# Altium PCB JlinkV9PCB.PcbDoc
Units mil, origin at the board's own origin, x right, y up, seen from the top; angles counter-clockwise.
Board outline 680 x 1250 mil, 2 copper layers (Top Layer, Bottom Layer); 42 components, 66 nets, 208 pads, 70 vias.
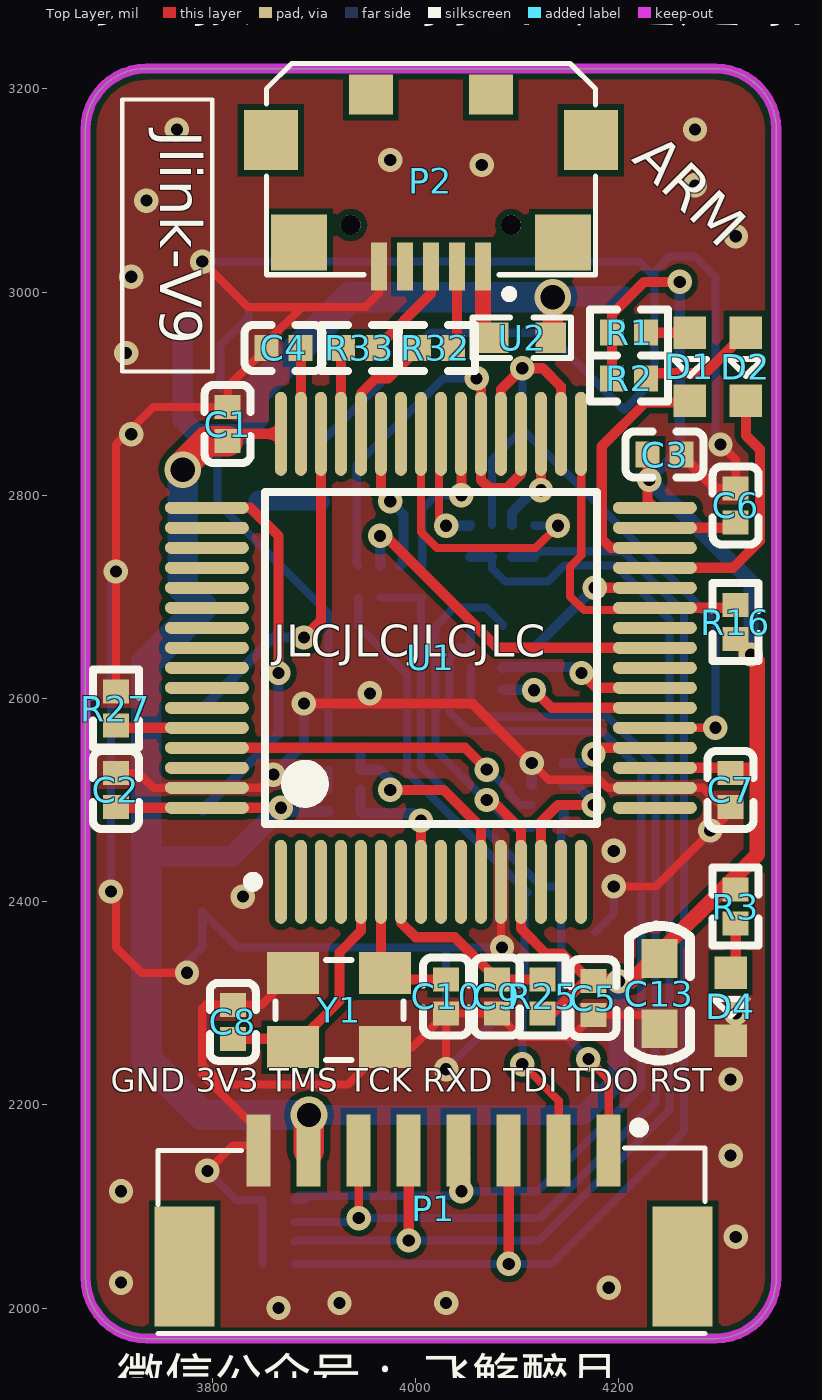
[diagram p0: Top Layer view]
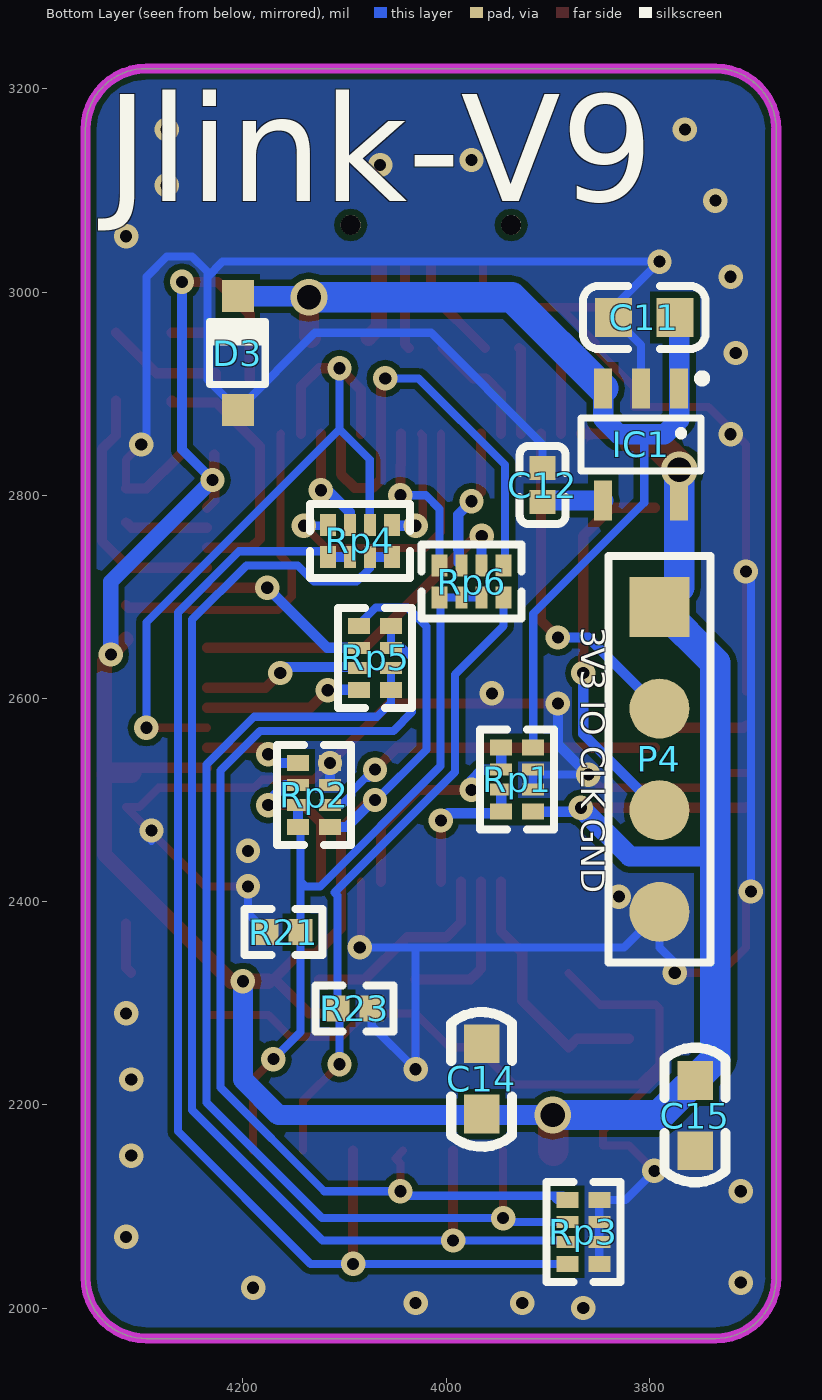
[diagram p1: Bottom Layer view, seen from below]
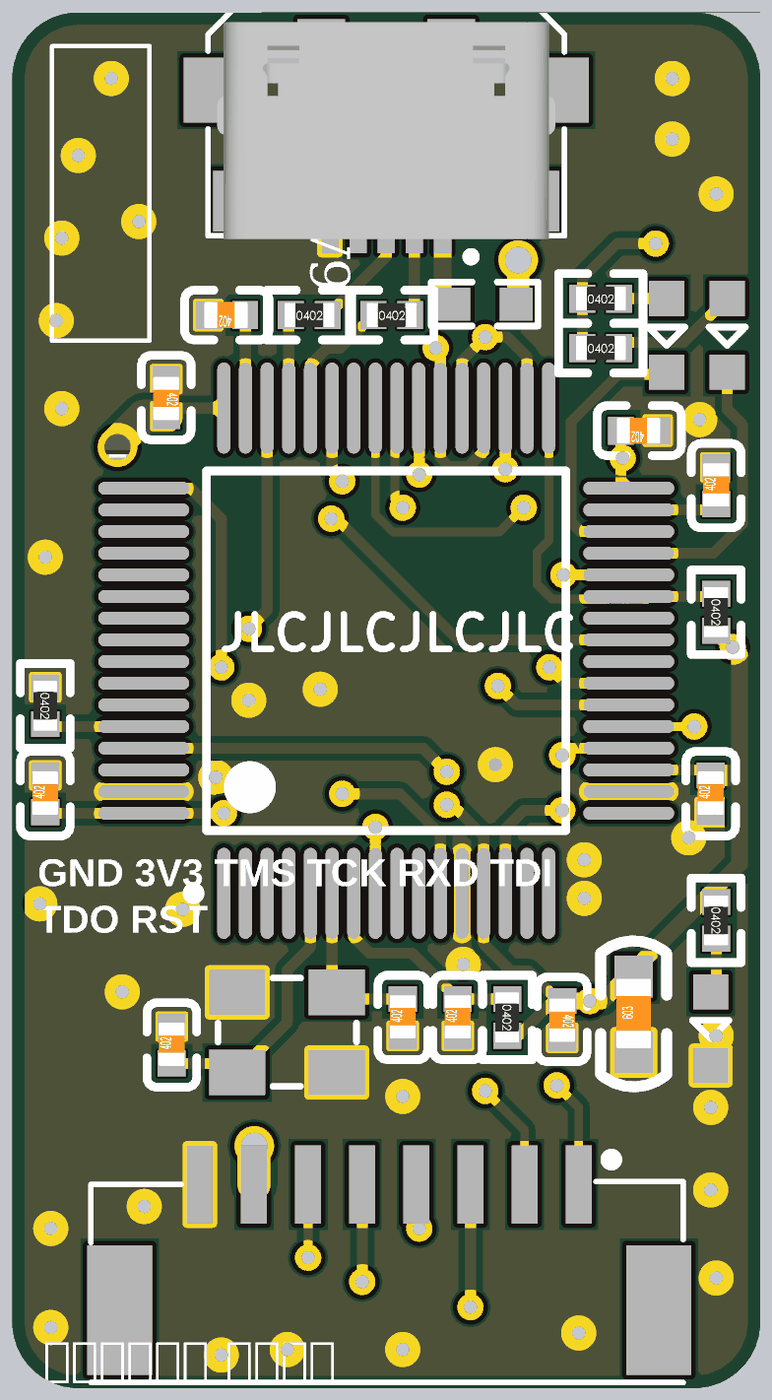
[diagram p2: 3D render of the assembled board from above, using the file's embedded part models]
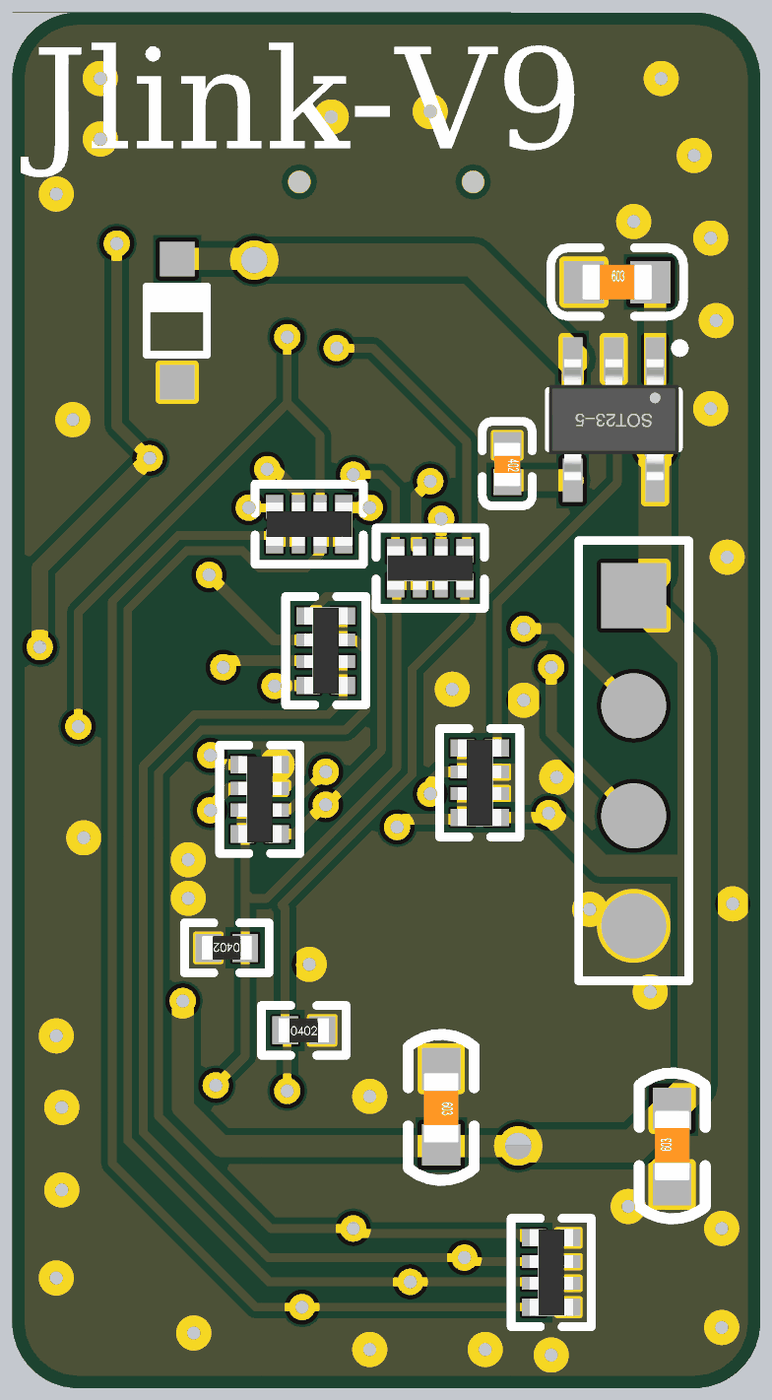
[diagram p3: 3D render of the assembled board from below, using the file's embedded part models]

## Layer stack, top to bottom
Top Solder: solder mask 0.4, Solder Resist, Dk 3.5
Top Layer: signal copper 1.4
Dielectric 1: dielectric 12.6, FR-4, Dk 4.8
Bottom Layer: signal copper 1.4
Bottom Solder: solder mask 0.4, Solder Resist, Dk 3.5

## Board outline
3675,2030 ccw(c3735,2030) 3735,1970 4295,1970 ccw(c4295,2030) 4355,2030 4355,3160 ccw(c4295,3160) 4295,3220 3735,3220 ccw(c3735,3160) 3675,3160

## Design rules (kind name [scope] priority, off if disabled: settings)
Clearance [All] p1: gap=6
PolygonConnect [All] p1: connectstyle=Direct reliefconductorwidth=10 reliefentries=4 polygonreliefangle="90 Angle" airgapwidth=10
RoutingVias [All] p1: holewidth=12 width=24 viastyle="Through Hole" minholewidth=12 minwidth=24 maxholewidth=24 maxwidth=36
SolderMaskExpansion [All] p1: expansion=4
Width [All] p1: maxlimit=100 minlimit=6 preferedwidth=8
30 further rules are at their usual default settings.

## Components (designator, comment, footprint, x,y, rotation, side; value= is the part's Value field where it differs from the comment)
C1 "104" 0402_C 3815,2870 r270 top
C2 "104" 0402_C 3705,2510 r90 top
C3 "104" 0402_C 4245,2840 r180 top
C4 "2.2UF" 0402_C 3870,2945 r180 top
C5 "104" 0402_C 4175,2305 r270 top
C6 "2.2UF" 0402_C 4315,2790 r90 top
C7 "104" 0402_C 4310,2510 r90 top
C8 "12PF" 0402_C 3820,2281.73 r90 top
C9 "104" 0402_C 4080,2306.73 r90 top
C10 "12PF" 0402_C 4030,2306.73 r90 top
C11 "10UF" 0603_C#1 3805,2975 r180 bottom
C12 "103" 0402_C 3905,2810 r270 bottom
C13 "104" 0603_C#2 4240,2275 r90 top
C14 "104" 0603_C#2 3965,2260 r270 bottom
C15 "104" 0603_C#2 3755,2155 r90 bottom
D1 "LED" SMDLED-0603 4270,2960 r270 top
D2 "LED" SMDLED-0603 4325,2960 r270 top
D3 "1N5819" SOD-323 4205,2940 r270 bottom
D4 "PWR" SMDLED-0603 4310,2330 r270 top
IC1 "XC6204B332MR" SOT23-5L 3808.07,2850 r0 bottom
P1 "Header 8" GH1.25-8P 4190,2155 r180 top
P2 "USB-5P" MICRO_USB 4015,3025 r180 top
P4 "Header 4" HDR1X4_SMD 3790,2690 r90 bottom
R1 "220R" 0402_R 4210,2960 r0 top
R2 "220R" 0402_R 4210,2915 r0 top
R3 "1K" 0402_R 4315,2395 r270 top
R16 "10K" 0402_R 4315,2675 r270 top
R21 "220K" 0402_R 4160,2370 r0 bottom
R23 "220K" 0402_R 4090,2295 r180 bottom
R25 "10K" 0402_R 4125,2306.73 r270 top
R27 "10K" 0402_R 3705,2590 r270 top
R32 "20R" 0402_R 4020,2945 r0 top
R33 "20R" 0402_R 3945,2945 r0 top
Rp1 "10K" 0402_Rx4 3930,2520 r90 bottom
Rp2 "10K" 0402_Rx4 4130,2505 r90 bottom
Rp3 "220K" 0402_Rx4 3865,2075 r270 bottom
Rp4 "220R" 0402_Rx4 4085,2755 r0 bottom
Rp5 "220R" 0402_Rx4 4070,2640 r90 bottom
Rp6 "220R" 0402_Rx4 3975,2715 r0 bottom
U1 "STM32F205RET6" STM-LQFP64_M 4015,2640 r90 top
U2 "FUSE" 0603P 4105,2955 r180 top
Y1 "12MHZ" XTAL3225 3970,2329.57 r180 top

## Footprints (in the part's own frame and the unit in brackets; to place one, negate y for a bottom-side part, rotate by r counter-clockwise, add the part's x,y. Pads: shape width x height; smd on the part's side, far side on the other; paste and mask are expansions set on the pad)
0402_C [mm]
  rect 0.6x0.65 smd mask+0.051: 1(-0.425,0) 2(0.425,0)
  silkscreen extent -0.97,-0.58 0.97,0.58, body extent -0.48,-0.3 0.52,0.3, height 0.2
0402_R [mm]
  rect 0.6x0.65 smd mask+0.051: 1(-0.425,0) 2(0.425,0)
  silkscreen extent -0.97,-0.58 0.97,0.58, body extent -0.57,-0.27 0.58,0.28, height 0.41
0402_Rx4 [mm]
  rect 0.4x0.55 smd mask+0.051: 1(-0.8,-0.4) 4(0.8,-0.4) 5(0.8,0.4) 8(-0.8,0.4)
  rect 0.3x0.55 smd mask+0.051: 2(-0.25,-0.4) 3(0.25,-0.4) 6(0.25,0.4) 7(-0.25,0.4)
  silkscreen extent -1.25,-0.93 1.25,0.92, body extent -1,-0.5 1,0.5, height 0.45
0603_C#1 [mm]
  rect 0.93x0.98 smd: 1(-0.77,0) 2(0.77,0)
  silkscreen extent -1.53,-0.79 1.54,0.79, body extent -0.8,-0.4 0.8,0.4, height 0.3
0603_C#2 [mm]
  rect 0.965x0.889 smd: 1(0,0) 2(1.753,0)
  silkscreen extent -0.79,-0.76 2.57,0.76, body extent 0.1,-0.4 1.7,0.4, height 0.3
0603P [mil]
  rect 30x30 smd: 1(-28,0) 2(28.5,-0.06)
  silkscreen extent -48,-20 49,20
GH1.25-8P [mm]
  rect 0.6x1.8 smd: 1(0,0) 2(1.25,0) 3(2.5,0) 4(3.75,0) 5(5,0) 6(6.25,0) 7(7.5,0) 8(8.75,0)
  rect 1.5x3 smd: A(-1.85,2.9) B(10.6,2.9)
  silkscreen extent -2.41,-0.7 11.26,4.57
HDR1X4_SMD [mm] "Connector; Header; 4 Position"
  rect 1.5x1.5 smd: 1(0,0)
  round 1.5 smd: 2(-2.54,0) 3(-5.08,0) 4(-7.62,0)
  silkscreen extent -8.89,-1.27 1.27,1.27
MICRO_USB [mm]
  rect 1.35x1.5 smd: 0(-4,-3.16) 0(4,-3.16)
  rect 1.4x1.4 smd: 0(-3.3,-0.6) 0(3.3,-0.6)
  round 0.5 hole 0.5 paste+0 mask+0: 0(-2.007,-1.041) 0(2.007,-1.041)
  rect 1.1x1 smd: 0(-1.5,-4.3) 0(1.5,-4.3)
  rect 0.4x1.2 smd: 1(-1.3,0) 2(-0.65,0) 3(0,0) 4(0.65,0) 5(1.3,0)
  silkscreen extent -4.11,-5.08 4.11,0.79, body extent -3.9,-4.72 3.9,0.28, height 2.83
SMDLED-0603 [mil]
  rect 32x32 smd: 1(0,0) 2(66.93,0)
  silkscreen extent 26,-17 42,17
SOD-323 [mm]
  rect 0.8x0.8 smd: 1(1.422,0) 2(-1.422,0)
  silkscreen extent -0.79,-0.74 0.79,0.69
SOT23-5L [mm]
  rect 0.45x1 smd: 1(-0.95,-1.4) 2(0,-1.4) 3(0.95,-1.4) 4(0.95,1.4) 5(-0.95,1.4)
  silkscreen extent -1.6,-1.73 1.5,0.66, body extent -1.5,-1.4 1.5,1.4, height 1.15
STM-LQFP64_M [mm] "Thin QFP, 64-Leads, Body 10x10mm, Pitch 0.5mm, IPC Low Density"
  oval 2.1x0.3 smd: 1(-5.6,3.75) 2(-5.6,3.25) 3(-5.6,2.75) 4(-5.6,2.25) 5(-5.6,1.75) 6(-5.6,1.25) 7(-5.6,0.75) 8(-5.6,0.25) 9(-5.6,-0.25) 10(-5.6,-0.75) 11(-5.6,-1.25) 12(-5.6,-1.75) 13(-5.6,-2.25) 14(-5.6,-2.75) 15(-5.6,-3.25) 16(-5.6,-3.75) 33(5.6,-3.75) 34(5.6,-3.25) 35(5.6,-2.75) 36(5.6,-2.25) 37(5.6,-1.75) 38(5.6,-1.25) 39(5.6,-0.75) 40(5.6,-0.25) 41(5.6,0.25) 42(5.6,0.75) 43(5.6,1.25) 44(5.6,1.75) 45(5.6,2.25) 46(5.6,2.75) 47(5.6,3.25) 48(5.6,3.75)
  oval 0.3x2.1 smd: 17(-3.75,-5.6) 18(-3.25,-5.6) 19(-2.75,-5.6) 20(-2.25,-5.6) 21(-1.75,-5.6) 22(-1.25,-5.6) 23(-0.75,-5.6) 24(-0.25,-5.6) 25(0.25,-5.6) 26(0.75,-5.6) 27(1.25,-5.6) 28(1.75,-5.6) 29(2.25,-5.6) 30(2.75,-5.6) 31(3.25,-5.6) 32(3.75,-5.6) 49(3.75,5.6) 50(3.25,5.6) 51(2.75,5.6) 52(2.25,5.6) 53(1.75,5.6) 54(1.25,5.6) 55(0.75,5.6) 56(0.25,5.6) 57(-0.25,5.6) 58(-0.75,5.6) 59(-1.25,5.6) 60(-1.75,5.6) 61(-2.25,5.6) 62(-2.75,5.6) 63(-3.25,5.6) 64(-3.75,5.6)
  silkscreen extent -5.72,-4.15 4.15,4.57, body extent -5,-5 5,5, height 1.6
XTAL3225 [mm]
  rect 1.3x1.05 smd: 1(0,0) 2(2.3,0) 3(2.3,1.85) 4(0,1.85)
  silkscreen extent -0.46,-0.33 2.74,2.17

## Part data
C1 C2 C3 C4 C5 C6 C7 C8 C9 C10 C13 C14 C15: library part C
C11: library part "0603 10uF (106) 10% 10V", "贴片电容"
C12: library part "0402 10nF (103) 10% 50V", "贴片电容"
D3: library part D
D4: library part LED
IC1: library part "LDO XC6204", "LDO"
P1: "Header, 8-Pin"
P2: "微型USB母座"
P4: "Header, 4-Pin"
R1 R2 R3 R16 R21 R23 R25 R27 R32 R33: library part R
Rp1 Rp2 Rp3 Rp4 Rp5 Rp6: library part R*4, "贴片排阻"
U1: library part STM32F103RET6
Y1: library part XTAL_3225, "3225贴片无源晶振"

## Via types
v1: diameter 24, hole 12, Top Layer to Bottom Layer, 67 vias
v2: diameter 36, hole 24, Top Layer to Bottom Layer, 3 vias

## Nets (pads, with @x,y where several pads share a name; then routed paths per layer and width w, separated by ;. In a path a pad name is that pad's centre, name@x,y a point inside that pad or via, vN(x,y) a via of type N, cw(c..) or ccw(c..) an arc to the next point about the centre after c; other vN are vias at no path point)
3V3: C1.2 C2.1 C3.2 C5.1 C7.2 C13.2 C14.2 C15.2 IC1.5 P1.7 P4.1 R1.1 R2.1 R3.1 R16.2 R25.2 Rp1.1 Rp2.1 Rp5.5 U1.13 U1.19 U1.32 U1.48 U1.64 | length 3507.7
  Top Layer w10: C2.1 3705.91,2492.36 U1.64 v1(3867.36,2492.36) ; C1.2 3822.2,2860.47 U1.48 ; v1(4070,2500) 4075,2500 4103.58,2471.42 U1.13 4103.58,2373.79 4128.37,2349 4144.46,2349 C5.1@4171.73,2321.73 ; R25.2 4135,2290 4166.73,2321.73 C5.1@4171.73,2321.73 ; C5.1 C5.1@4171.73,2321.73 ; R2.1 R1.1 4193.27,2978.27 4225,3010 v1(4260,3010) ; C3.2 4228.27,2794.84 U1.32 ; U1.19 4310,2531.73 C7.2@4315,2526.73
  Top Layer w15: C5.1 v1(4200,2321.73) 4211.73,2321.73 4336.3,2446.3 4336.3,2636.97 v1(4330,2643.27) R16.2
  Top Layer w20: C7.2 4315,2526.73 4332.27,2526.73 4334,2525
  Top Layer w30: v2(3770.67,2825) 3770.67,2829.33 3794.61,2853.27 C1.2 ; P1.7 3894.72,2190.28 v2(3895,2190)
  Bottom Layer w8: v1(4070,2500) 4068.89,2500 4019.43,2549.46 4019.43,2670.93 4037.87,2689.37 4069.22,2689.37 4085.75,2672.84 Rp5.5
  Bottom Layer w10: v1(3867.36,2492.36) 3871.22,2488.5 Rp1.1 ; v1(4070,2500) 4071.33,2500 4097.82,2473.5 Rp2.1 ; v1(4230,2815) 4260,2845 v1(4260,3010)
  Bottom Layer w15: v1(4230,2815) 4330,2715 v1(4330,2643.27)
  Bottom Layer w20: 3735,2444.47 3819.47,2444.47 v1(3867.36,2492.36) ; v2(3895,2190) 4165,2190 4200,2225 v1(4200,2321.73)
  Bottom Layer w30: v2(3770.67,2825) IC1.5 3770.67,2709.33 P4.1 3735,2635 3735,2444.47 3735,2245 3790,2190 v2(3895,2190)
BOOT0: R27.2 U1.60 | length 90.4
  Top Layer w10: R27.2 3707.17,2571.1 U1.60
GND: C1.1 C2.2 C3.1 C4.2 C5.2 C6.2 C7.1 C8.2 C9.1 C10.1 C11.1 C12.1 C13.1 C14.1 C15.1 D3.1 D4.2 IC1.2 P1.8 P2.5 P4.4 R21.2 R23.2 R27.1 Rp1.2 Rp1.3 Rp2.3 Rp2.4 Rp3.5 Rp3.6 Rp3.7 Rp3.8 U1.12 U1.18 U1.63 Y1.2 Y1.4 | length 5361.6
  Top Layer w8: v1(3700,2410) 3705,2405 3705,2355 3730,2330 v1(3775,2330) ; C2.2 3727.36,2526.73 3742.05,2512.05 U1.63 3847.05,2512.05 v1(3860,2525) ; R27.1 3705,2850 3741.73,2886.73 C1.1 3815,2906.73 C4.2 3853.27,2950.28 3887.98,2985 ; v1(3790,3030) 3835,2985 3887.98,2985 ; v1(3795,2135) 3820,2160 3845.51,2160 3845.51,2174.49 3790,2230 3790,2240 ; Y1.2 3848.35,2298.46 C8.2 3793.46,2298.46 3790,2295 3790,2240 ; P2.5 3963.82,2998.82 3950,2985 3887.98,2985 ; v1(4030,2235) C10.1 ; U1.12 4083.9,2356.1 v1(4085,2355) ; v1(4114.25,2536.5) 4130.75,2520 4181.11,2520 4189.07,2512.05 U1.18 4282.95,2512.05 4301.73,2493.27 C7.1 4315,2493.27 4236.73,2415 v1(4195,2415) ; C13.1@4233.27,2288.27 C5.2 4153.73,2267 4103,2267 C9.1 C10.1 ; v1(4300,2850) 4315,2835 C6.2 ; 3790,2240 3810,2220 3933.27,2220 Y1.4 3996.73,2256.73 C10.1
  Top Layer w10: v1(3890,2595) 4055.75,2595 v1(4114.25,2536.5) ; C3.1 4295,2806.73 C6.2
  Bottom Layer w8: v1(3700,2410) 3700,2720 v1(3705,2725) ; v1(3775,2330) 3775,2340 3790,2355 P4.4 3825,2355 4030,2355 ; v1(3795,2135) 3823.5,2106.5 Rp3.8 Rp3.7 Rp3.6 Rp3.5 ; IC1.2 3808.07,2947.76 C11.1 3835.32,2984.68 v1(3790,3030) 4220,3030 4235,3015 ; v1(3860,2525) 3909.41,2525 Rp1.3 Rp1.2 ; C12.1 3905,2850 4015,2960 4129,2960 D3.1 4235,2914 4235,3015 ; R23.2 4073.27,2278.27 v1(4030,2235) 4030,2355 ; v1(4085,2355) 4030,2355 ; R21.2 4195,2388.27 v1(4195,2415) ; v1@4290,2460 v1(4290,2470) ; v1(4300,2850) 4295,2855 4295,3015 4275,3035 4250,3035 4235,3020 4235,3015
  Bottom Layer w10: v1(3860,2525) 3890,2555 v1(3890,2595) ; Rp2.3 v1(4114.25,2536.5)
  other v1: 3865,2000 3925,2005 4030,2005 4190,2020 3710,2025 4315,2070 3710,2115 4310,2150 4310,2225 4315,2290 3830,2405 4195,2450 3955,2605 3720,2860 3715,2940 3720,3015 4315,3055 3735,3090 4275,3105 4065,3125 3975,3130 3765,3160 4275,3160
NetC4_1: C4.1 U1.47 | length 84.7
  Top Layer w10: C4.1 3887.05,2944.68 U1.47
NetC6_1: C6.1 U1.31 | length 81.7
  Top Layer w10: U1.31 4309.68,2767.95 C6.1
NetC12_2: C12.2 IC1.4 | length 60.2
  Bottom Layer w20: IC1.4 3903.39,2794.88 C12.2
NetD1_1: D1.1 R1.2 | length 43.3
  Top Layer w10: R1.2 D1.1
NetD2_1: D2.1 R2.2 | length 119.9
  Top Layer w10: R2.2 4226.73,2920.07 4285.07,2920.07 D2.1
NetD4_1: D4.1 R3.2 | length 50.3
  Top Layer w10: D4.1 4315,2335 R3.2
NetP2_1: P2.1 U2.2 | length 74.2
  Top Layer w16: P2.1 4066.18,2965.38 U2.2
NetP2_2: P2.2 R32.2 | length 81.6
  Top Layer w10: R32.2 4040.59,2948.86 P2.2
NetP2_3: P2.3 R33.2 | length 102.1
  Top Layer w10: R33.2 4015,2998.27 P2.3
NRST: C9.2 R25.1 U1.7 | length 202.7
  Top Layer w10: U1.7 3985.47,2379.53 4000,2365 4038.46,2365 C9.2 R25.1
OSC_IN: C8.1 U1.5 Y1.3 | length 253.3
  Top Layer w10: C8.1 3871.18,2265 Y1.3 3925,2302.28 3925,2350 3946.1,2371.1 U1.5
OSC_OUT: C10.2 U1.6 Y1.1 | length 154.2
  Top Layer w10: U1.6 3965.79,2333.78 Y1.1 3976.1,2323.46 C10.2
PA0: Rp2.6 U1.14 | length 156.7
  Top Layer w10: U1.14 4123.27,2478.27 4140,2495 v1(4175,2495)
  Bottom Layer w10: Rp2.6 4158.35,2514.84 4175,2498.19 v1(4175,2495)
PA1: U1.15
PA2: U1.16
PA3: U1.17
PA4: Rp2.5 U1.20 | length 95.9
  Top Layer w10: v1(4175,2545) 4181.42,2551.42 U1.20
  Bottom Layer w10: Rp2.5 4166.5,2536.5 v1(4175,2545)
PA5: Rp4.2 U1.21 U1.34 U1.37 | length 764
  Top Layer w8: U1.21 v1(4295,2571.1)
  Top Layer w10: U1.37 4083.9,2903.9 v1(4105,2925) 4125,2925 4142.95,2907.05 U1.34
  Bottom Layer w8: Rp4.2 4075.16,2835.16 4105,2865 ; v1(4105,2925) 4105,2865 ; v1(4295,2571.1) 4295,2675 4105,2865
PA6: Rp5.8 U1.22 | length 157.1
  Top Layer w10: v1(4116.5,2608) 4133.71,2590.79 U1.22
  Bottom Layer w10: Rp5.8 4115.99,2608.5 v1(4116.5,2608)
PA7: Rp5.7 U1.23 | length 158.6
  Top Layer w10: v1(4163.25,2625) 4177.78,2610.47 U1.23
  Bottom Layer w10: Rp5.7 4086.59,2631 4157.25,2631 v1(4163.25,2625)
PA8: Rp4.4 U1.41 | length 271
  Top Layer w8: U1.41 4005.16,2763.73 4020.89,2748 4118,2748 v1(4140,2770)
  Bottom Layer w8: Rp4.4 4117.24,2770 v1(4140,2770)
PA9: U1.42
PA10: Rp6.3 U1.43 | length 140.2
  Top Layer w10: U1.43 3965.79,2803.21 v1(3975,2794)
  Bottom Layer w10: v1(3975,2794) 3988,2781 3988,2746.51 3987.62,2746.13 3987.62,2733.53 Rp6.3
PA13: P4.2 U1.46 | length 336.4
  Top Layer w10: v1(3890,2660) 3906.73,2676.73 U1.46
  Bottom Layer w10: P4.2 3860,2660 v1(3890,2660)
PA14: P4.3 U1.49 | length 397.8
  Top Layer w10: U1.49 3837.36,2787.64 3865,2760 v1(3865,2625) 3865,2620 3867,2618 v1@3867,2625
  Bottom Layer w10: P4.3 3865,2565 v1(3865,2625)
PA15: U1.50
PB0: U1.26
PB1: R16.1 U1.27 U1.33 | length 338.6
  Top Layer w8: U1.33 4163,2860.11 4163,2740.53 4152,2729.53 4152,2700.47 4165.58,2686.9 U1.27@4233.16,2686.9 ; U1.27 U1.27@4233.16,2686.9 ; U1.27@4255,2689.21 4252.69,2686.9 U1.27@4233.16,2686.9
  Top Layer w10: U1.27@4255,2689.21 4312.48,2689.21 R16.1
PB2: Rp5.6 U1.28 | length 174.2
  Top Layer w10: v1(4176.1,2708.9) U1.28
  Bottom Layer w10: Rp5.6 4117.05,2649.84 v1(4176.1,2708.9)
PB3: U1.55
PB4: U1.56
PB5: U1.57
PB6: U1.58
PB7: U1.59
PB8: Rp2.2 U1.61 | length 345.8
  Top Layer w10: U1.61 4048.58,2551.42 v1(4070,2530)
  Bottom Layer w8: v1(4070,2530) 4070,2528.22 4076.22,2522 4079.11,2522 4093.43,2507.69 4093.43,2504.8 4103.06,2495.16 Rp2.2
PB9: U1.62
PB10: D2.2 U1.29 | length 258.1
  Top Layer w10: U1.29 4312.38,2728.58 4338.8,2755 4338.8,2845.2 4325,2859 D2.2
PB11: D1.2 U1.30 | length 253.7
  Top Layer w10: U1.30 4191.73,2748.27 4183.13,2756.87 4183.13,2848.13 4226.2,2891.2 4270,2891.2 D1.2
PB14: Rp4.3 U1.35 | length 105.5
  Top Layer w10: v1(4123.27,2805) U1.35
  Bottom Layer w10: Rp4.3 4094.84,2783.35 4116.49,2805 v1(4123.27,2805)
PB15: Rp6.1 U1.36 U1.38 | length 442.5
  Top Layer w10: v1(4060,2915) 4064.21,2910.79 U1.38 4064.21,2815.32 4072.3,2807.23 4090,2807.23 4103.58,2820.82 U1.36
  Bottom Layer w8: Rp6.1 3942,2732.25 3942,2830 4027,2915 v1(4060,2915)
PC0: Rp1.7 Rp1.8 U1.8 | length 145
  Top Layer w10: U1.8 v1(4005.16,2479.84)
  Bottom Layer w10: Rp1.7 Rp1.8 3947.25,2487 3998,2487 v1(4005.16,2479.84)
PC1: U1.9
PC2: U1.10
PC3: Rp1.5 Rp1.6 U1.11 | length 222.9
  Top Layer w10: v1(3975,2510) 4027.47,2510 4064.21,2473.26 U1.11
  Bottom Layer w10: Rp1.5 Rp1.6 3964.8,2529.84 3975,2519.64 v1(3975,2510)
PC4: U1.24
PC5: Rp6.2 U1.25 | length 345.4
  Top Layer w10: v1(3965,2760) 3970,2760 4080.16,2649.84 U1.25
  Bottom Layer w10: v1(3965,2760) 3965.16,2759.84 Rp6.2
PC8: Rp6.4 U1.39 | length 160.5
  Top Layer w10: U1.39 4044.53,2830 4045,2829.53 v1(4045,2800)
  Bottom Layer w8: Rp6.4 4006.5,2786.5 4020,2800 v1(4045,2800)
PC9: Rp4.1 U1.40 | length 117.9
  Top Layer w8: U1.40 4023,2858.63 4023,2777 v1(4030,2770)
  Bottom Layer w10: v1(4030,2770) 4052.76,2770 Rp4.1
PC10: U1.51
PC11: U1.52
PC12: U1.53
PC13: U1.2
PC14: U1.3
PC15: U1.4
RST: P1.1 R21.1 Rp2.7 Rp2.8 Rp6.5 Rp6.6 Rp6.7 | length 757.1
  Top Layer w8: v1(4170,2245) 4190,2225 P1.1
  Bottom Layer w8: Rp6.7 Rp6.6 Rp6.5 4005.43,2698.18 4005.43,2533.46 4123.89,2415 4138.27,2415 4143.27,2420 ; Rp2.8 4143.27,2471.02 4143.27,2420 ; v1(4170,2245) 4143.27,2271.73 R21.1 4143.27,2420
  Bottom Layer w10: Rp2.8 Rp2.7
RXD: P1.4 Rp3.1 Rp5.3 Rp5.4 | length 1072.8
  Top Layer w8: P1.4 4050,2147.36 4045,2142.36 v1(4045,2115)
  Bottom Layer w8: Rp5.4 Rp5.3 4043.06,2649.84 4033.43,2640.21 4033.43,2586.49 4051.91,2568 4183.11,2568 4222,2529.11 4222,2217 4120,2115 v1(4045,2115) 4040.5,2110.5 3895,2110.5 ; 3895,2110.5 3884.76,2110.5 Rp3.1 3890.99,2106.5 3895,2110.5
TCK: P1.5 Rp3.3 Rp4.7 Rp4.8 | length 1236.6
  Top Layer w10: v1@3991.43,2066.5 3993.15,2068.23 P1.5
  Bottom Layer w8: Rp3.3 3882.09,2066.5 v1(3993.15,2066.5) 4121.5,2066.5 4250,2195 4250,2677.53 4196.63,2730.9 4146.05,2730.9 4130.15,2715 4088.22,2715 4075.16,2728.06 Rp4.7
  Bottom Layer w10: Rp4.8 Rp4.7
TDI: P1.3 Rp3.4 Rp4.5 Rp4.6 | length 1256
  Top Layer w10: v1(4091.57,2043.5) P1.3
  Bottom Layer w8: Rp3.4 v1(4091.57,2043.5) 4133.5,2043.5 4264,2174 4264,2684.74 4203.84,2744.9 4122.14,2744.9 Rp4.5
  Bottom Layer w10: Rp4.6 Rp4.5
TDO: P1.2 R23.1 Rp6.8 | length 630
  Top Layer w8: v1(4105,2240) 4140.79,2204.21 P1.2
  Bottom Layer w8: Rp6.8 3943.5,2671.5 3991.43,2623.57 3991.43,2527.66 4110,2409.09 4107,2406.09 R23.1@4107,2295 ; v1(4105,2240) 4105,2293.27 R23.1
TMS: P1.6 Rp3.2 Rp5.1 Rp5.2 | length 1044.6
  Top Layer w8: v1@3943.5,2088.5 3943.94,2088.94 P1.6
  Bottom Layer w8: Rp3.2 3940.28,2084.84 v1(3943.94,2088.5) 4122.29,2088.5 4236,2202.21 4236,2534.91 4188.91,2582 4068,2582 4054.25,2595.75 Rp5.1 Rp5.2
USBDM: R32.1 U1.44 | length 115.4
  Top Layer w10: U1.44 3946.1,2900.13 3960.97,2915 3973.27,2915 R32.1
USBDP: R33.1 U1.45 | length 85.3
  Top Layer w10: U1.45 3926.42,2943.15 R33.1
VCC5V: C11.2 D3.2 IC1.1 IC1.3 Rp1.4 U2.1 | length 1013
  Top Layer w20: U2.1 4135,2957 v2(4135,2995)
  Bottom Layer w8: 3805,2860 3805,2792.67 3914.25,2683.42 Rp1.4
  Bottom Layer w20: C11.2@3779.68,2975 3770.67,2965.99 IC1.1 3770.67,2874.33 3785,2860 3805,2860 3830,2860 3845.47,2875.47 IC1.3 ; v2(4135,2995) 4136,2996 D3.2
  Bottom Layer w30: IC1.3 3935.36,2995 v2(4135,2995)
pads on no net: P1.A P1.B P2.0 P2.4 U1.1 U1.54

## Polygon pours and split planes (outlines as drawn)
GND on Bottom Layer "Bottom Layer-No Net 1" (solid, remove dead copper, pour order 0): 3675,3160 3675,2030 3675.41,2010.14 3694.49,1986.36 3710.17,1975.38 3735,1970 4295,1970 4334.86,1985.16 4349.62,2005.17 4355,2030 4355,3160 4355,3180 4325,3215 4295,3220 4280,3220 4265,3220 3735,3220 3705,3215 3680,3190
GND on Top Layer "Bottom Layer-No Net 1" (solid, remove dead copper, pour order 2): 3675,2030 3679.04,1997.65 3705,1980 3735,1970 4295,1970 4334.69,1985 4349.84,2000.16 4355,2020 4355,3160 4344.15,3194.41 4324.28,3214.28 4295,3220 4210,3220 4180,3220 3735,3220 3700.59,3209.15 3679.04,3190 3675,3170

## Keep-outs
Keep-Out Layer:
  the board outline again, w10

## Silkscreen, mask and mechanical layers (free items; w line width, h text height)
Top Overlay:
  lines w4: 3711.22,2921.61 3711.22,3189.33 3799.8,3189.33 3799.8,2921.61 3711.22,2921.61
  text "可直接上JLC打样，选定“指定位置加客编”" at 3650,3255 h80
  text "Jlink-V9" at 3734.84,3158.82 h70 r270
  text "ARM" at 4201.81,3120.2 h70 r315
  text "JLCJLCJLCJLC" at 3860,2641.26 h31.5
  text "GND 3V3 TMS TCK RXD TDI TDO RST" at 3700,2205 h40
  text "微信公众号： 飞觞醉月" at 3705,1905 h60
  text "QQ群：923703530" at 3700,1845 h60
Bottom Overlay:
  text "Jlink-V9" at 4335,3055 h180
  text "3V3 IO CLK GND" at 3875,2670 h40 r90